# Altium PCB smart-ring-main.PcbDoc (part 1 of 6) (continued)
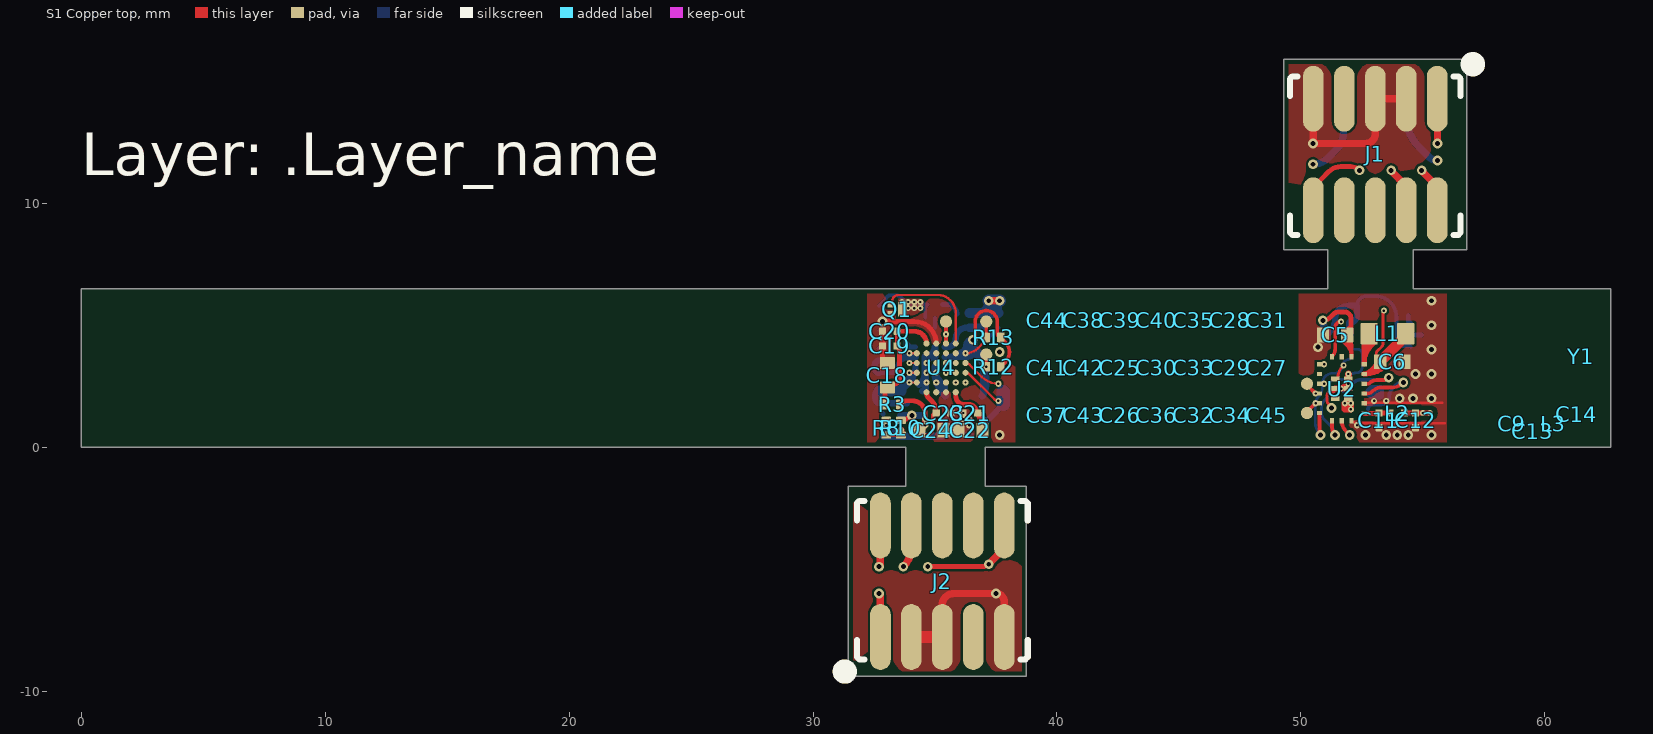
[diagram p0: S1 Copper top view]
## Components (designator, comment, footprint, x,y, rotation, side; value= is the part's Value field where it differs from the comment)
C1 "10uF" SMD_CAPACITOR_0402 37.8,2.8 r90 bottom
C2 "10uF" SMD_CAPACITOR_0402 32.7,1.8 r270 bottom
C3 "2.2uF" SMD_CAPACITOR_0402 33.6,1.8 r270 bottom
C4 "10uF" SMD_CAPACITOR_0402 34.5,1.8 r270 bottom
C5 "2.2uF" SMD_CAPACITOR_0402 51.4,4.6 r180 top
C6 "10uF" SMD_CAPACITOR_0402 53.75,3.5 r0 top
C7 "100pF" SMD_CAPACITOR_0201#1 35.7,1.1 r180 bottom
C8 "100pF" SMD_CAPACITOR_0201#1 35.7,0.5 r180 bottom
C9 "10pF" SMD_CAPACITOR_0201#2 58.65,0.95 r180 top
C10 "10uF" SMD_CAPACITOR_0402 36.45,3.55 r270 bottom
C11 "1.8pF" SMD_CAPACITOR_0201#1 53.2,1.1 r90 top
C12 "1.8pF" SMD_CAPACITOR_0201#1 54.7,1.1 r90 top
C13 "1.8pF" SMD_CAPACITOR_0201#2 59.5,0.65 r90 top
C14 "1.8pF" SMD_CAPACITOR_0201#2 61.3,1.35 r180 top
C15 "100nF" SMD_CAPACITOR_0201#1 52.6,5.8 r0 bottom
C16 "2.2uF" SMD_CAPACITOR_0402 51.15,4.2 r270 bottom
C17 "2.2uF" SMD_CAPACITOR_0402 32.7,3.55 r270 bottom
C18 "10uF" SMD_CAPACITOR_0402 33.05,2.95 r90 top
C19 "100nF" SMD_CAPACITOR_0201#1 33.15,4.15 r180 top
C20 "100pF" SMD_CAPACITOR_0201#1 33.15,4.75 r180 top
C21 "100nF" SMD_CAPACITOR_0201#1 36.45,1.4 r180 top
C22 "2.2uF" SMD_CAPACITOR_0402 36.45,0.7 r180 top
C23 "100nF" SMD_CAPACITOR_0201#1 35.35,1.4 r0 top
C24 "10uF" SMD_CAPACITOR_0402 34.85,0.7 r0 top
C25 "47uF" SMD_CAPACITOR_0603 42.6,3.25 r90 top
C26 "47uF" SMD_CAPACITOR_0603 42.6,1.3 r90 top
C27 "47uF" SMD_CAPACITOR_0603 48.6,3.25 r90 top
C28 "47uF" SMD_CAPACITOR_0603 47.1,5.2 r90 top
C29 "47uF" SMD_CAPACITOR_0603 47.1,3.25 r270 top
C30 "47uF" SMD_CAPACITOR_0603 44.1,3.25 r270 top
C31 "47uF" SMD_CAPACITOR_0603 48.6,5.2 r270 top
C32 "47uF" SMD_CAPACITOR_0603 45.6,1.3 r90 top
C33 "47uF" SMD_CAPACITOR_0603 45.6,3.25 r90 top
C34 "47uF" SMD_CAPACITOR_0603 47.1,1.3 r90 top
C35 "47uF" SMD_CAPACITOR_0603 45.6,5.2 r270 top
C36 "47uF" SMD_CAPACITOR_0603 44.1,1.3 r90 top
C37 "47uF" SMD_CAPACITOR_0603 39.6,1.3 r270 top
C38 "47uF" SMD_CAPACITOR_0603 41.1,5.2 r90 top
C39 "47uF" SMD_CAPACITOR_0603 42.6,5.2 r270 top
C40 "47uF" SMD_CAPACITOR_0603 44.1,5.2 r90 top
C41 "47uF" SMD_CAPACITOR_0603 39.6,3.25 r90 top
C42 "47uF" SMD_CAPACITOR_0603 41.1,3.25 r270 top
C43 "47uF" SMD_CAPACITOR_0603 41.1,1.3 r270 top
C44 "47uF" SMD_CAPACITOR_0603 39.6,5.2 r90 top
C45 "47uF" SMD_CAPACITOR_0603 48.6,1.3 r90 top
D1 "Fast Schottky" CLP0603-2M 36.75,0.5 r180 bottom
D2 "5.1V Zener" DFN1006-2A 37.8,1.3 r90 bottom
D4 "Fast Schottky" CLP0603-2M 36.75,1.1 r0 bottom
J1 "SWD DIALOG" CONN_SWD_10PIN 53.05,12 r270 top
J2 "SWD ATMEL" CONN_SWD_10PIN 35.3,-5.5 r90 top
L1 "2.2uH" SMD_INDUCTOR_0603 53.55,4.65 r0 top
L2 "3.3nH" SMD_INDUCTOR_0201#1 53.95,1.4 r0 top
L3 "3.3nH" SMD_INDUCTOR_0201#2 60.35,0.95 r0 top
L4 "2.2uH" SMD_INDUCTOR_0603_HDI 36.15,2.05 r0 bottom
NTC1 "100k 0.5%" SMD_RESISTOR_0402 32.7,5.3 r90 bottom
Q1 "PMH600UNE" "DFN0606-3 (SOT8001)" 33.45,5.65 r270 top
R1 "280kOhm 1%" SMD_RESISTOR_0201 35,5.85 r180 bottom
R2 "2.2MOhm 1%" SMD_RESISTOR_0201 33.6,5.85 r180 bottom
R3 "100Ohm" SMD_RESISTOR_0201 33.25,1.75 r0 top
R8 "1MOhm 1%" SMD_RESISTOR_0201 33,0.8 r90 top
R9 "1MOhm 1%" SMD_RESISTOR_0201 37.6,5.2 r90 bottom
R10 "100kOhm 1%" SMD_RESISTOR_0201 33.6,0.8 r270 top
R11 "249kOhm 1%" SMD_RESISTOR_0201 37.5,4.4 r180 bottom
R12 "10k" SMD_RESISTOR_0201 37.4,3.3 r0 top
R13 "10k" SMD_RESISTOR_0201 37.4,4.5 r0 top
R16 "316Ohm" SMD_RESISTOR_0201 36.4,5.2 r270 bottom
R17 "316Ohm" SMD_RESISTOR_0201 37,5.2 r270 bottom
TP3 "Testpoint" "Testpoint 1.5x2.5mm" 51.75,14 r180 bottom
TP4 "Testpoint" "Testpoint 1.5x2.5mm" 54.3,14 r180 bottom
U1 "BQ25125" BQ25125-DSBGA25_HDI 34.6,4.1 r0 bottom
U2 "DA14531-00000FX2" DA14531-00000FX2-FCGQFN24 51.675,2.4 r180 top
U3 "MX25R2035FZUIL0" USON-8L-2x3x0.6mm 53.25,4.35 r270 bottom
U4 "ATSAML10E16A-UUT" WLCSP32_HDI 35.25,3.25 r90 top locked
X1 "32MHz" ABM12W 52.25,1.9 r0 bottom
Y1 "ANTENNA_W3008" ANTENNA_W3008 61.5,3.7 r270 top

## Footprints (in the part's own frame and the unit in brackets; to place one, negate y for a bottom-side part, rotate by r counter-clockwise, add the part's x,y. Pads: shape width x height; smd on the part's side, far side on the other; paste and mask are expansions set on the pad)
ABM12W [mm]
  rect 0.73x0.58 smd paste-0.06 mask+0.07: 1(-0.5,-0.35) 2(0.5,-0.35) 3(0.5,0.35) 4(-0.5,0.35)
  body extent -0.8,-0.6 0.8,0.6, height 0.4
ANTENNA_W3008 [mm]
  rect 0.8x0.65 on Mid1: 1(1.6,-0.475) 2(1.6,0.475)
  rect 0.8x1.6 on Mid1: 3(-1.6,0)
  body extent -1.6,-0.8 1.6,0.8, height 1.1
BQ25125-DSBGA25_HDI [mm] "25-Pin DSBGA footprint for BQ25125"
  round 0.23 smd mask+0.051: A1(-0.8,0.8) A2(-0.4,0.8) A3(0,0.8) A4(0.4,0.8) A5(0.8,0.8) B1(-0.8,0.4) B2(-0.4,0.4) B3(0,0.4) B4(0.4,0.4) B5(0.8,0.4) C1(-0.8,0) C2(-0.4,0) C3(0,0) C4(0.4,0) C5(0.8,0) D1(-0.8,-0.4) D2(-0.4,-0.4) D3(0,-0.4) D4(0.4,-0.4) D5(0.8,-0.4) E1(-0.8,-0.8) E2(-0.4,-0.8) E3(0,-0.8) E4(0.4,-0.8) E5(0.8,-0.8)
  body extent -1.23,-1.26 1.23,1.27, height 0.5
CLP0603-2M [mm]
  rrect20% 0.3x0.3 smd paste-0.015 mask+0.06: 1(-0.3,0) 2(0.3,0)
  body extent -0.3,-0.15 0.31,0.16, height 0.27
CONN_SWD_10PIN [mm]
  oval 2.7x0.85 smd paste-10 mask+0.07: 1(-2.286,2.54) 2(2.286,2.54) 3(-2.286,1.27) 4(2.286,1.27) 5(-2.286,0) 6(2.286,0) 7(-2.286,-1.27) 8(2.286,-1.27) 9(-2.286,-2.54) 10(2.286,-2.54)
  silkscreen extent -3.95,-3.5 3.3,4.25, body extent -2.92,-3.18 2.92,3.17, height 6.11
DA14531-00000FX2-FCGQFN24 [mm] "FCGQFN24 footprint for DA14531"
  rect 0.225x0.18 smd paste-0.03 mask+0.05: 1(-0.913,1) 2(-0.913,0.6) 3(-0.913,0.2) 4(-0.913,-0.2) 5(-0.913,-0.6) 6(-0.913,-1) 10(0.913,-1) 11(0.913,-0.6) 12(0.913,-0.2) 13(0.913,0.2) 14(0.913,0.6) 15(0.913,1)
  rect 0.18x0.225 smd paste-0.03 mask+0.05: 7(-0.4,-1.312) 8(0,-1.312) 9(0.4,-1.312) 16(0.4,1.313) 17(0,1.313) 18(-0.4,1.313)
  rect 0.35x0.2 smd paste-0.03 mask+0.05: 19(-0.275,0.4) 20(-0.275,0) 21(-0.275,-0.4) 22(0.275,-0.4) 23(0.275,0) 24(0.275,0.4)
  body extent -1.11,-1.5 1.1,1.5, height 0.7
"DFN0606-3 (SOT8001)" [mm] "Nexperia footprint."
  rect 0.6x0.35 smd paste-0.05 mask+0: D(0,0.21)
  rect 0.2x0.3 smd paste+0 mask+0: G(-0.175,-0.245) S(0.175,-0.245)
  body extent -0.31,-0.31 0.31,0.31, height 0.36
DFN1006-2A [mm]
  rrect50% 0.6x0.6 smd paste-1 mask+0.04: 1(-0.45,0)
  rrect10% 0.6x0.6 smd paste-1 mask+0.04: 2(0.45,0)
  body extent -0.53,-0.32 0.53,0.33, height 0.48
SMD_CAPACITOR_0201#1 [mm]
  rrect20% 0.3x0.3 smd paste-0.015 mask+0.06: 1(-0.3,0) 2(0.3,0)
  body extent -0.3,-0.15 0.3,0.15, height 0.3
SMD_CAPACITOR_0201#2 [mm]
  rrect20% 0.3x0.3 on Mid1 paste-0.015 mask+0.06: 1(-0.3,0) 2(0.3,0)
  body extent -0.3,-0.15 0.3,0.15, height 0.3
SMD_CAPACITOR_0402 [mm]
  rrect10% 0.5x0.6 smd paste-1 mask+0.06: 1(-0.5,0) 2(0.5,0)
  body extent -0.5,-0.26 0.5,0.26, height 0.54
SMD_CAPACITOR_0603 [mm]
  rrect10% 0.7x0.6 on Mid1 paste-0.1 mask-0.1: 1(-0.75,0) 2(0.75,0)
  body extent -0.8,-0.39 0.8,0.43, height 0.86
SMD_INDUCTOR_0201#1 [mm]
  rrect20% 0.3x0.3 smd paste-0.015 mask+0.06: 1(-0.3,0) 2(0.3,0)
  body extent -0.3,-0.15 0.3,0.15, height 0.3
SMD_INDUCTOR_0201#2 [mm]
  rrect20% 0.3x0.3 on Mid1 paste-0.015 mask+0.06: 1(-0.3,0) 2(0.3,0)
  body extent -0.3,-0.15 0.3,0.15, height 0.3
SMD_INDUCTOR_0603 [mm]
  rrect10% 0.7x0.9 smd paste-1 mask+0.06: 1(-0.75,0) 2(0.75,0)
  body extent -0.8,-0.4 0.8,0.4, height 0.9
SMD_INDUCTOR_0603_HDI [mm]
  rrect10% 0.7x0.9 smd paste-1 mask+0.06: 1(-0.75,0) 2(0.75,0)
  body extent -0.8,-0.4 0.8,0.4, height 0.8
SMD_RESISTOR_0201 [mm]
  rrect20% 0.3x0.4 smd paste+0 mask+0.06: 1(-0.3,0) 2(0.3,0)
  body extent -0.3,-0.15 0.3,0.15, height 0.22
SMD_RESISTOR_0402 [mm]
  rrect10% 0.5x0.6 smd paste-1 mask+0.06: 1(-0.5,0) 2(0.5,0)
  body extent -0.5,-0.25 0.5,0.25, height 0.35
"Testpoint 1.5x2.5mm" [mm]
  oval 1.5x2.5 smd paste-10: 1(0,0)
  silkscreen extent -1,-1.5 1,1.5
USON-8L-2x3x0.6mm [mm]
  rect 0.3x0.6 smd paste-0.05 mask+0.05: 1(-0.75,-1.25) 2(-0.25,-1.25) 3(0.25,-1.25) 4(0.75,-1.25) 5(0.75,1.25) 6(0.25,1.25) 7(-0.25,1.25) 8(-0.75,1.25)
  rect 2x0.4 smd paste-0.05 mask+0.05: 9(0,0)
  body extent -1,-1.5 1,1.5, height 0.6
WLCSP32_HDI [mm]
  round 0.25 smd mask+0.051: A2(-0.6,1) A3(-0.2,1) A4(0.2,1) A5(0.6,1) B1(-1,0.6) B2(-0.6,0.6) B3(-0.2,0.6) B4(0.2,0.6) B5(0.6,0.6) B6(1,0.6) C1(-1,0.2) C2(-0.6,0.2) C3(-0.2,0.2) C4(0.2,0.2) C5(0.6,0.2) C6(1,0.2) D1(-1,-0.2) D2(-0.6,-0.2) D3(-0.2,-0.2) D4(0.2,-0.2) D5(0.6,-0.2) D6(1,-0.2) E1(-1,-0.6) E2(-0.6,-0.6) E3(-0.2,-0.6) E4(0.2,-0.6) E5(0.6,-0.6) E6(1,-0.6) F2(-0.6,-1) F3(-0.2,-1) F4(0.2,-1) F5(0.6,-1)
  body extent -1.4,-1.4 1.4,1.4, height 0.48

## Part data
C1 C2 C4 C6 C10 C18 C24: library part CAPACITOR_0402, "Ceramic Capacitor 10uF 20% 10V X5R 0402", Device Package="0402 (1005 Metric)", Manufacturer=Samsung, Part Number=CL05A106MP5NUNC, Tolerance=20%, Voltage - Rated=10V, Digikey link=https://www.digikey.com/en/products/detail/samsung-electro-mechanics/CL05A106MP5NUNC/3887108?s=N4IgTCBcDaIMIBkAMBWAggRiQNgLIAUUA5AVSLhAF0BfIA, Mounting Type=SMT, Mouser link=https://au.mouser.com/ProductDetail/Samsung-Electro-Mechanics/CL05A106MP5NUNC/?qs=%2Fha2pyFadujQ7YcBKb35%2FBbJvrfEs4Xc1j9gkwHKSo5FkZmFQOJR1A%3D%3D, Size / Dimension="0.039\" L x 0.020\" W (1.00mm x 0.50mm)"
C3 C5 C16 C17 C22: library part CAPACITOR_0402, "Ceramic Capacitor 2.2uF 20% 6.3V X5R 0402", Device Package="0402 (1005 Metric)", Manufacturer=Murata, Part Number=GRM155R60J225ME15D, Tolerance=20%, Voltage - Rated=6.3V, Digikey link=https://www.digikey.com.au/product-detail/en/murata-electronics/GRM155R60J225ME15D/490-4519-1-ND/1033278, Mounting Type=SMT, Size / Dimension="0.039\" L x 0.020\" W (1.00mm x 0.50mm)"
C7 C8 C20: library part CAPACITOR_0201, "Ceramic capacitor 100pF 10% 16V X7R 0201", Device Package="0201 (0603 Metric)", Manufacturer=Murata, Part Number=GRM033R71C101KA01D, Tolerance=10%, Voltage - Rated=16V, Digikey link=https://www.digikey.com.au/product-detail/en/murata-electronics/GRM033R71C101KA01D/490-6146-2-ND/2543500, Mounting Type=SMT, Size / Dimension="0.024\" L x 0.012\" W (0.60mm x 0.30mm)"
C9: library part CAPACITOR_0201, "Ceramic Capacitor 10pF ±0.25pF 50V C0G (NP0) 0201", Device Package="0201 (0603 Metric)", Manufacturer=AVX, Part Number=02013A100CAT2A, Tolerance=0.25pF, Digikey link=https://www.digikey.com.au/product-detail/en/avx-corporation/02013A100CAT2A/478-02013A100CAT2ACT-ND/11570361, Mounting Type=SMT, Size / Dimension="0.024\" L x 0.012\" W (0.60mm x 0.30mm)"
C11 C12 C13 C14: library part CAPACITOR_0201, "Ceramic Capacitor 1.8pF ±0.25pF 50V C0G (NP0) 0201", Device Package="0201 (0603 Metric)", Manufacturer=Murata, Part Number=GRM0335C1H1R8CA01D, Tolerance=0.25pF, Digikey link=https://www.digikey.com.au/product-detail/en/murata-electronics/GRM0335C1H1R8CA01D/490-11314-1-ND/5333154, Mounting Type=SMT, Size / Dimension="0.024\" L x 0.012\" W (0.60mm x 0.30mm)"
C15 C19 C21 C23: library part CAPACITOR_0201, "Ceramic capacitor 100nF 10% 6.3V X5R 0201", Device Package="0201 (0603 Metric)", Manufacturer=Murata, Part Number=GRM033R60J104KE19J, Tolerance=10%, Voltage - Rated=6.3V, Digikey link=https://www.digikey.com.au/product-detail/en/murata-electronics/GRM033R60J104KE19J/490-8155-2-ND/2543452, Mounting Type=SMT, Size / Dimension="0.024\" L x 0.012\" W (0.60mm x 0.30mm)"
C25 C26 C27 C28 C29 C30 C31 C32 C33 C34 C35 C36 C37 C38 C39 C40 C41 C42 C43 C44 C45: library part CAPACITOR_0603, "Ceramic Capacitor 47uF 20% 4V X5R 0603", Device Package="0603 (1608 Metric)", Manufacturer=Murata, Part Number=GRM188R60G476ME15D, Tolerance=20%, Voltage - Rated=4V, Digikey link=https://www.digikey.com.au/product-detail/en/murata-electronics/GRM188R60G476ME15D/490-13246-1-ND/5877454, Mounting Type=SMT, Size / Dimension="0.063\" L x 0.031\" W (1.60mm x 0.80mm)"
D1 D4: library part DIODE_0201, "Diode SMT 0201", Device Package="0201 (0603 Metric)", Manufacturer=Vishay, Part Number=VSKY02300603, Distributor link 1=https://www.digikey.com/en/products/detail/vishay-general-semiconductor-diodes-division/VSKY02300603-G4-08/7390849, Mounting Type=SMT, Size / Dimension="0.024\" L x 0.012\" W (0.60mm x 0.30mm)"
D2: library part DIODE_0201, "Diode SMT 0201", Device Package="0402 (1006 Metric)", Manufacturer=Vishay, Part Number=BZX884B5V1L, Distributor link 1=https://www.digikey.com.au/en/products/detail/vishay-general-semiconductor-diodes-division/BZX884B5V1L-HG3-08/14312734, Mounting Type=SMT
J1 J2: library part CONN_SWD_10PIN, "10-pin ARM SWD connector for debugging", Manufacturer=Samtec, Part Number=FTSH-105-01-L-DV-K
L1 L4: library part INDUCTOR_0603, "Inductor fixed 2.2uH 20% 500mA 180mOhm 0603", Device Package="0603 (1608 Metric)", Manufacturer=TDK, Part Number=MLZ1608N2R2LT000, Tolerance=20%, Digikey link=https://www.digikey.com.au/product-detail/en/tdk-corporation/MLZ1608N2R2LT000/445-6754-1-ND/2523575, Mounting Type=SMT, Size / Dimension="0.063\" L x 0.031\" W (1.60mm x 0.80mm)"
L2 L3: library part INDUCTOR_0201, "RF Inductor 3.3nH ±0.1nH 450mA 250mOhm 0201", Device Package="0201 (0603 Metric)", Manufacturer=Murata, Part Number=LQP03TN3N3B02D, Tolerance=0.1nH, Digikey link=https://www.digikey.com.au/product-detail/en/murata-electronics/LQP03TN3N3B02D/490-6728-1-ND/5802375, Mounting Type=SMT, Size / Dimension="0.024\" L x 0.012\" W (0.60mm x 0.30mm)"
NTC1: library part RESISTOR_0402, "Resistor SMT 0402", Device Package="0402 (1005 Metric)", Manufacturer=TDK, Part Number=NTCG104ED104DT1X, Tolerance=0.5%, Distributor link 1=https://www.digikey.com.au/en/products/detail/tdk-corporation/NTCG104ED104DT1X/8565495, Mounting Type=SMT, Size / Dimension="0.039\" L x 0.020\" W (1.00mm x 0.50mm)"
Q1: library part MOSFET_N_GDS, "N-MOSFET SMT", Device Package=3-XFDFN, Manufacturer="Nexperia USA Inc.", Operating Temperature="-55°C ~ 150°C (TJ)", Voltage - Rated=20V, Distributor link 1=https://www.digikey.com.au/product-detail/en/nexperia-usa-inc/PMH600UNEH/1727-8580-1-ND/10261006, Mounting Type=SMT, Part Number=PMH600UNE
R1 R2: library part RESISTOR_0201, "Resistor 470 Ohm 5% 1/20W 0201", Device Package="0201 (0603 Metric)", Tolerance=1%, Mounting Type=SMT, Size / Dimension="0.024\" L x 0.012\" W (0.60mm x 0.30mm)"
R3: library part RESISTOR_0201, "Resistor 100 Ohm 5% 1/20W 0201", Device Package="0201 (0603 Metric)", Manufacturer=Yageo, Part Number=RC0201JR-07100RL, Tolerance=5%, Digikey link=https://www.digikey.com.au/product-detail/en/yageo/RC0201JR-07100RL/311-100NCT-ND/1949006, Mounting Type=SMT, Size / Dimension="0.024\" L x 0.012\" W (0.60mm x 0.30mm)"
R8 R9: library part RESISTOR_0201, "Resistor 1 MOhm 1% 1/20W 0201", Device Package="0201 (0603 Metric)", Tolerance=1%, Mounting Type=SMT, Size / Dimension="0.024\" L x 0.012\" W (0.60mm x 0.30mm)"
R10 R11: library part RESISTOR_0201, "Resistor 249 kOhm 1% 1/20W 0201", Device Package="0201 (0603 Metric)", Tolerance=1%, Mounting Type=SMT, Size / Dimension="0.024\" L x 0.012\" W (0.60mm x 0.30mm)"
R12 R13: library part RESISTOR_0201, "Resistor 470 Ohm 5% 1/20W 0201", Device Package="0201 (0603 Metric)", Tolerance=5%, Mounting Type=SMT, Size / Dimension="0.024\" L x 0.012\" W (0.60mm x 0.30mm)"
R16 R17: library part RESISTOR_0201, "Resistor 316 Ohm 1% 1/20W 0201", Device Package="0201 (0603 Metric)", Manufacturer="Vishay Dale", Part Number=CRCW0201316RFNED, Tolerance=1%, Digikey link=https://www.digikey.com.au/product-detail/en/vishay-dale/CRCW0201316RFNED/541-CRCW0201316RFNEDCT-ND/10448813, Mounting Type=SMT, Size / Dimension="0.024\" L x 0.012\" W (0.60mm x 0.30mm)"
TP3 TP4: "Testpoint for measuring at the PCB"
U1: "BQ25125 Low IQ Highly Integrated Battery Charge Management Solution / For Wearables and IoT"
U2: "IC RF TxRx + MCU Bluetooth Bluetooth v5.1 2.4GHz 24-WFQFN, FC", Manufacturer="Dialog Semiconductor GmbH", Package="WFQFN-24 Dialog Semiconductor GmbH"
U3: Manufacturer=Macronix
U4: library part ATSAML10EXXA-U, "ARM® Cortex®-M23 SAM L10 Microcontroller IC 32-Bit 32MHz 16-64KB FLASH 32-WLCSP (2.79 x 2.79)", Device Package=WLCSP-32, Manufacturer="Microchip (Atmel)", Link=https://www.microchip.com/wwwproducts/en/ATSAML10E16A, Mounting Type=SMT, Part Number=ATSAML10E16A-UUT
X1: library part CRYSTAL_4PIN_GENERIC, "Crystal 32MHz 7pF ±10ppm for Bluetooth (1.60mm x 1.20mm)", Device Package="4-SMD, No Lead", Manufacturer=Abracon, Operating Temperature="-20°C ~ 70°C", Part Number=ABM12W-32.0000MHZ-7-B1U-T3, Distributor link 1=https://www.digikey.com.au/product-detail/en/abracon-llc/ABM12W-32-0000MHZ-7-B1U-T3/535-ABM12W-32-0000MHZ-7-B1U-T3CT-ND/7173160, Mounting Type=SMT, Size / Dimension="0.063\" L x 0.047\" W (1.60mm x 1.20mm)"

## Free pads (board coordinates)
  rrect60% 9x0.8 on Mid1 paste-10: 1(5,1) 1(5,2.65) 1(5,3.85) 1(5,5.5)
  rrect60% 9x0.8 on Mid4 paste-10: 1(5,1) 1(5,2.65) 1(5,3.85) 1(5,5.5)
  oval 3.3x1.5 on Mid4 paste-10 mask+0: 1(29.5,1.75) 1(29.5,4.75)
  round 0.5 smd paste-10: 1(35.45,5.15) 1(37.1,3.8) 1(37.1,5.15) 1(50.25,1.4) 1(50.25,2.6)

## Via types
v1: diameter 0.45, hole 0.2, S2 Flex copper top to S5 Flex copper bottom, tented both sides, 61 vias
v2: diameter 0.5/0.5/0.5/0.5 (per signal layer), hole 0.2, S2 Flex copper top to S5 Flex copper bottom, 60 vias
v3: diameter 0.25/0.3 (per signal layer), hole 0.1, S1 Copper top to S2 Flex copper top, tented both sides, 40 vias
v4: diameter 0.4/0.5/0.5/0.5/0.5/0.4 (per signal layer), hole 0.2, S1 Copper top to S6 Copper bottom, tented both sides, 35 vias
v5: diameter 0.3/0.25 (per signal layer), hole 0.1, S5 Flex copper bottom to S6 Copper bottom, tented both sides, 34 vias
v6: diameter 0.5/0.5/0.5/0.5 (per signal layer), hole 0.2, S2 Flex copper top to S5 Flex copper bottom, tented both sides, 12 vias
v7: diameter 0.25, hole 0.1, S1 Copper top to S2 Flex copper top, tented both sides, 10 vias
v8: diameter 0.45/0.45/0.45/0.45 (per signal layer), hole 0.2, S2 Flex copper top to S5 Flex copper bottom, tented both sides, 4 vias
v9: diameter 0.4/0.45/0.45/0.45/0.45/0.4 (per signal layer), hole 0.2, S1 Copper top to S6 Copper bottom, tented both sides, 3 vias
v10: diameter 0.4, hole 0.2, S1 Copper top to S6 Copper bottom, tented both sides, 2 vias
v11: diameter 0.4/0.5/0.5/0.5/0.4/0.4 (per signal layer), hole 0.2, S1 Copper top to S6 Copper bottom, tented both sides, 1 vias

## Nets (pads, with @x,y where several pads share a name; then routed paths per layer and width w, separated by ;. In a path a pad name is that pad's centre, name@x,y a point inside that pad or via, vN(x,y) a via of type N, cw(c..) or ccw(c..) an arc to the next point about the centre after c; other vN are vias at no path point)
1V1: C6.1 L1.2 TP4.1 U2.5 | length 17.8
  S1 Copper top w0.11: C6.1@53.25,3.5 cw(c53.25,3.665) 53.224,3.502 cw(c53.25,3.665) 53.085,3.665 53.085,3.832 cw(c53.226,3.832) 53.126,3.931 53.318,4.124 ccw(c53.199,4.243) 53.368,4.243 53.368,5.522 cw(c53.478,5.522) v3(53.4,5.6)
  S1 Copper top w0.2: C6.1@53.224,3.502 52.816,3.095 cw(c52.588,3.324) U2.5@52.588,3 ; C6.1@53.25,3.5 ccw(c53.25,3.889) 53.525,3.614 ; C6.1@53.299,3.438 53.054,3.193 cw(c52.588,3.66) U2.5@52.588,3 ; C6.1@53.386,3.291 cw(c52.682,3.995) 52.682,3 U2.5@52.588,3 ; 53.525,3.614 54.115,4.205 ccw(c53.67,4.65) L1.2@54.3,4.65
  S1 Copper top w0.3: C6.1@53.25,3.5 cw(c53.491,3.5) 53.321,3.671 L1.2@54.3,4.65
  S2 Flex copper top w0.11: v3(53.4,5.6) ccw(c52.772,6.228) 53.66,6.228 53.66,8.2 cw(c55.857,8.2) 54.303,9.753 55.35,10.8 ccw(c54.746,11.404) 55.6,11.404 v4(55.6,11.75)
  S6 Copper bottom w0.3: TP4.1@54.3,14 54.3,13.628 ccw(c56.178,13.628) 54.85,12.3 55.259,11.891 ccw(c55.6,12.233) v4(55.6,11.75)
1V8: C5.1 C10.1 C15.1 C16.1 C23.1 C24.1 J1.1 J2.1 L4.2 R3.2 R12.2 R13.2 TP3.1 U1.B5 U2.7 U3.3 U3.7 U3.8 U4.B1 | length 105.6
  S1 Copper top w0.15: C24.1@34.35,0.7 ccw(c34.55,0.7) 34.55,0.5 34.65,0.5 ccw(c34.65,0.75) 34.9,0.75 34.9,1.25 cw(c35.05,1.25) C23.1@35.05,1.4 ; v4(36.55,4.4) ccw(c36.55,4.5) 36.65,4.5 36.65,5.15 cw(c37.1,5.15) 37.1,5.6 cw(c37.1,5.15) 37.55,5.15 37.55,4.65 ccw(c37.7,4.65) R13.2@37.7,4.5 37.873,4.327 cw(c37.446,3.9) 38.05,3.9 cw(c37.446,3.9) 37.873,3.473 R12.2@37.7,3.3 ; C5.1@51.729,4.35 51.869,4.21 cw(c51.371,3.713) U2.7@52.075,3.713 52.075,3.828 ; C5.1@51.843,4.388 cw(c51.283,3.828) 52.075,3.828 ; C5.1@51.9,4.6 cw(c51.478,4.178) 52.075,4.178 52.075,3.828
  S1 Copper top w0.2: v4(32.7,-6) cw(c32.7,-6.06) v4@32.76,-6.06 ; R3.2@33.55,1.75 33.629,1.829 cw(c33.8,1.659) 33.8,1.9 34.074,1.9 cw(c34.074,1.374) 34.6,1.374 v3(34.6,1.15) v3@34.6,1.148 ; C24.1@34.343,0.891 ccw(c34.343,1.148) v3@34.6,1.148 ; C24.1@34.35,0.7 ccw(c34.35,0.95) 34.6,0.95 v3@34.6,1.148 ; U4.B1@34.65,2.25 ccw(c35.012,2.25) 34.756,1.994 34.9,1.85 cw(c34.627,1.577) 35.013,1.577 C23.1@35.013,1.407 ; v4(50.9,5.2) ccw(c50.9,5.64) 51.211,5.329 51.335,5.453 cw(c51.566,5.223) 51.566,5.549 51.769,5.549 cw(c51.769,5.258) 52.06,5.258 52.06,5.038 ; C5.1@51.813,4.791 ccw(c51.813,5.038) 52.06,5.038 ; C5.1@51.9,4.6 ccw(c51.9,4.76) 52.06,4.76 52.06,5.038
  S1 Copper top w0.3: v4(32.7,-6) 32.7,-6.027 32.76,-6.087 J2.1@32.76,-7.786 ; J1.1@55.59,14.286 cw(c55.566,14.262) 55.6,14.262 v4(55.6,12.45)
  S2 Flex copper top w0.1: 38,5.2 50.2,5.2 ; 38.068,5.208 38.068,5.269 cw(c38.2,5.269) 38.2,5.4 ; 38.083,5.116 ccw(c38.199,5.116) 38.199,5 ; 50.2,5 38.199,5 ; 50.2,5.4 38.2,5.4 ; 38.199,5 38,5 cw(c38,5.135) 37.865,5.135 37.865,5.2 37.865,5.265 cw(c38,5.265) 38,5.4 38.2,5.4
  S2 Flex copper top w0.15: v4(50.9,5.2) v4@50.967,5.267
  S2 Flex copper top w0.2: v4(32.7,-6) cw(c32.7,-5.35) 32.05,-5.35 32.05,-2.95 cw(c32.75,-2.95) 32.75,-2.25 33.75,-2.25 ccw(c33.75,-1.851) 34.149,-1.851 34.149,0.05 34.715,0.616 ccw(c34.631,0.7) 34.75,0.7 cw(c34.921,0.7) 34.8,0.821 v1@34.879,0.9 ; v4(50.5,11.6) 50.967,11.6 ccw(c50.967,12.283) 51.188,11.637 ; v4@50.967,5.267 51.04,5.34 ccw(c49.931,6.45) 51.5,6.45 51.5,10.882 ccw(c50.433,10.882) 51.188,11.637 ; v4(55.6,12.45) 52.303,12.45 ccw(c52.303,11.96) 51.957,12.307 51.45,11.8 cw(c50.967,12.283) 51.188,11.637
  S2 Flex copper top w0.3: v3(34.6,0.9) 34.879,0.9 ccw(c34.879,1.071) v1(35,0.95) cw(c35,1.433) 34.659,1.091 v3(34.6,1.15) v3(34.6,0.9)
  S2 Flex copper top w0.35: v4(36.55,4.4) 37.065,4.4 ccw(c37.065,4.738) 37.403,4.738 cw(c37.865,4.738) 37.865,5.2 38,5.2
  S2 Flex copper top w0.45: 50.2,5.2 v4(50.9,5.2)
  S5 Flex copper bottom w0.15: v1(35,0.95) ccw(c35.121,1.071) 35.121,0.9 36.277,0.9 ccw(c36.277,1.634) 36.795,1.115 37.028,1.348 ccw(c36.576,1.8) 37.216,1.8 37.216,3.176 ccw(c36.933,3.176) 37.133,3.376 37.06,3.449 cw(c37.404,3.794) 36.917,3.794 ccw(c36.339,3.794) 36.748,4.202 36.565,4.385 v4(36.55,4.4)
  S6 Copper bottom w0.15: C15.1@52.3,5.8 cw(c52.69,5.8) 52.69,6.19 53.057,6.19 cw(c53.057,5.329) 53.918,5.329 53.918,4.332 ccw(c54.1,4.332) 54.1,4.15 54.45,4.15 cw(c54.45,4.1) U3.3@54.5,4.1
  S6 Copper bottom w0.25: U1.B5@35.4,3.7 U1.B5@35.472,3.7 ; 36.139,3.826 ccw(c36.139,3.887) C10.1@36.19,3.853 ; C10.1@36.221,4.01 cw(c35.472,4.759) C10.1@36.2,3.99 ; C10.1@36.432,4.168 36.599,4.168 C10.1@36.624,4.168 ; C10.1@36.45,4.05 cw(c35.605,4.895) C10.1@36.19,3.853 ; C10.1@36.595,3.826 cw(c36.29,4.132) 36.29,3.7 35.605,3.7 ; C10.1@36.638,4.094 36.936,3.796 cw(c36.54,3.4) 37.1,3.4 37.1,2.523 cw(c36.503,2.523) L4.2@36.925,2.1 ; C16.1@51.15,4.7 51.188,4.738 ccw(c50.676,5.25) 51.4,5.25 cw(c51.95,5.25) 51.95,5.8 C15.1@52.3,5.8 52.3,5.4 cw(c52,5.4) U3.8@52,5.1 ; U1.B5@35.472,3.7 ccw(c35.472,4.759) C10.1@36.2,3.99 ; U1.B5@35.472,3.7 35.605,3.7 ; 35.605,3.7 ccw(c35.605,4.895) C10.1@36.19,3.853 ; C10.1@36.19,3.853 ccw(c36.139,3.887) 36.2,3.887 C10.1@36.2,3.99
  S6 Copper bottom w0.3: C10.1@36.297,4.13 36.297,4.147 cw(c36.55,4.147) v4(36.55,4.4) cw(c36.432,4.282) 36.599,4.282 36.599,4.168 C10.1@36.599,4.164 ; C10.1@36.45,4.05 36.788,3.712 cw(c36.276,3.2) 36.97,3.406 ccw(c37.258,3.492) 36.98,3.379 cw(c36.725,3.275) 37,3.275 37,3.2 37,2.281 cw(c36.744,2.281) L4.2@36.925,2.1 ; v4(50.5,11.6) ccw(c50.5,12.445) 51.097,11.847 51.45,12.2 ccw(c50.726,12.924) 51.75,12.924 TP3.1@51.75,14 ; v4(50.9,5.2) ccw(c51.504,5.2) 51.077,4.773 C16.1@51.15,4.7 ; U3.7@52,4.6 U3.8@52,5.1
ADC_VHAP: R9.1 R11.2 U4.B4 | length 4.2
  S2 Flex copper top w0.1: v7@34.645,3.447 v7@34.647,3.447 ; v7(34.65,3.45) ccw(c34.65,3.812) 34.906,3.556 35.876,4.526 cw(c36.9,3.501) v1(36.9,4.95)
  S2 Flex copper top w0.127: v7@34.647,3.447 v7(34.65,3.45)
  S5 Flex copper bottom w0.15: v1(36.9,4.95) ccw(c37.021,5.071) 37.021,4.9 v5(37.6,4.9)
  S6 Copper bottom w0.15: R11.2@37.2,4.4 cw(c37.441,4.4) 37.271,4.571 v5(37.6,4.9)
ADC_VIN: R8.1 R10.2 U4.B3 | length 3.7
  S1 Copper top w0.15: R8.1@33,0.5 R10.2@33.6,0.5
  S1 Copper top w0.28: R10.2@33.6,0.5 v7(33.6,0.7)
  S2 Flex copper top w0.1: v7@33.61,0.724 cw(c33.576,0.724) v7(33.6,0.7) 33.6,1.309 cw(c33.941,1.309) 33.7,1.55 34.185,2.035 ccw(c33.788,2.433) 34.35,2.433 34.35,2.75 ; 34.35,2.759 cw(c34.691,2.759) 34.45,3 cw(c34.571,2.879) 34.571,3.05 v7(34.65,3.05)
  S2 Flex copper top w0.15: v7(33.6,0.7) ccw(c33.574,0.726) v7@33.611,0.726
ATMEL_RESET: J2.10 U4.C2 | length 12.4
  S1 Copper top w0.2: v4(34.7,-4.9) 36.959,-4.9 ccw(c36.959,-4.559) v4(37.2,-4.8)
  S1 Copper top w0.3: v4(37.2,-4.8) 37.2,-4.789 J2.10@37.84,-4.149 ; J2.10@37.84,-4.16 J2.10@37.84,-4.149 ; J2.10@37.84,-3.214 J2.10@37.84,-4.149
  S2 Flex copper top w0.1: v7(35.05,2.65) 35.29,2.41 cw(c34.48,1.6) 35.626,1.6 35.626,0.632 cw(c35.368,0.632) 35.55,0.45 35.479,0.379 ccw(c35.658,0.2) 35.405,0.2 35.405,-1.8
  S2 Flex copper top w0.15: v4(34.7,-4.9) ccw(c32.998,-3.198) 35.405,-3.198 35.405,-1.8
ATMEL_SWCLK: J2.4 U4.B2 | length 10.2
  S1 Copper top w0.3: v4(33.7,-4.9) ccw(c32.903,-4.103) 34.03,-4.103 J2.4@34.03,-3.214
  S2 Flex copper top w0.102: v7(34.65,2.65) ccw(c34.891,2.65) 34.721,2.479 35,2.2 cw(c34.034,1.234) 35.4,1.234 35.4,0.8 cw(c35.232,0.8) 35.351,0.681 34.822,0.152 ccw(c34.874,0.1) 34.8,0.1 34.8,-1.8
  S2 Flex copper top w0.15: v4(33.7,-4.9) 34.056,-4.544 ccw(c32.26,-2.748) 34.8,-2.748 34.8,-1.8
ATMEL_SWDIO: J2.2 U4.C3 | length 13.7
  S1 Copper top w0.3: v4(32.7,-4.9) ccw(c32.555,-4.755) 32.76,-4.755 J2.2@32.76,-3.214
  S2 Flex copper top w0.1: v4(32.7,-4.9) ccw(c32.821,-4.9) v4@32.735,-4.985 ; v7(35.05,3.05) 35.398,2.702 cw(c34.307,1.611) 35.85,1.611 35.85,0.922 ccw(c36.164,0.922) 35.942,0.7 cw(c35.802,0.56) 36,0.56 36,-1.8
  S2 Flex copper top w0.15: v4(32.7,-4.9) ccw(c33.3,-4.9) 33.3,-5.5 35.009,-5.5 ccw(c35.009,-5.159) 35.25,-5.4 35.256,-5.394 ccw(c33.46,-3.598) 36,-3.598 36,-1.8
COIL+: C7.2 C8.2 pad.1@5,1 | length 30.5
  S5 Flex copper bottom w0.35: pad.1@9.009,0.994 9.181,0.822 ccw(c10.2,1.841) 10.2,0.4 32.5,0.4 ; 32.5,0.4 32.729,0.629 cw(c32.9,0.459) v5(32.9,0.7) v5(33.15,0.7) v5(33.15,0.45) ; 32.5,0.4 v5@33.029,0.4 ; v5@33.029,0.4 ccw(c33.029,0.571) v5(33.15,0.45) ; v5@33.029,0.4 33.15,0.4 v5(33.15,0.45)
  S6 Copper bottom w0.3: 35.4,0.89 cw(c34.96,0.89) 34.96,0.45 ; C7.2@35.4,1.1 C8.2@35.4,0.5 cw(c35.279,0.621) 35.279,0.45 34.96,0.45 ; 33.754,0.45 cw(c33.754,1.304) v5(33.15,0.7) v5(32.9,0.7) v5(32.9,0.45) v5(33.15,0.45) 33.754,0.45 ; 33.754,0.45 34.96,0.45
  other v2: 1,1 2,1 3,1 4,1 5,1 6,1 7,1 8,1 9,1
DIALOG_RESET: J1.10 U2.10 | length 12.3
  S1 Copper top w0.2: J1.10@50.51,10.198 cw(c51.624,10.198) 50.836,10.986 51.15,11.3 cw(c51.633,10.817) 51.633,11.5 52.038,11.5 cw(c52.038,10.988) v4(52.4,11.35)
  S1 Copper top w0.3: J1.10@50.51,9.714 50.51,10.198 J1.10@50.51,10.683
  S2 Flex copper top w0.11: v3(50.95,3.4) cw(c51.795,3.4) 51.197,3.997 51.796,4.596 ccw(c51.224,5.169) 52.033,5.169 52.033,5.356 cw(c52.944,5.356) 52.3,6 52.495,6.195 ccw(c52.29,6.4) 52.58,6.4 52.58,10.915 ccw(c51.965,10.915) v4(52.4,11.35) cw(c52.267,11.217) v4@52.455,11.217
DIALOG_SWCLK: J1.4 U2.12 | length 11.5
  S1 Copper top w0.3: v4(53.7,11.35) 53.7,11.323 54.32,10.703 J1.4@54.32,9.714
  S2 Flex copper top w0.11: v3(50.95,2.6) 51.088,2.738 ccw(c50.576,3.25) 51.3,3.25 cw(c52.303,3.25) 51.594,3.959 51.922,4.287 ccw(c51.009,5.2) 52.3,5.2 cw(c53.266,5.2) 52.583,5.883 53.063,6.363 ccw(c52.927,6.5) 53.12,6.5 53.12,9.95 cw(c55.1,9.95) v4(53.7,11.35)
DIALOG_SWDIO: J1.2 U2.9 | length 13.6
  S1 Copper top w0.15: U2.9@51.275,3.713 ccw(c50.96,4.027) 51.405,4.027 51.405,4.905 cw(c51.65,4.905) v3(51.65,5.15)
  S1 Copper top w0.3: v4(54.95,11.35) 54.95,11.323 55.59,10.683 J1.2@55.59,9.714
  S2 Flex copper top w0.11: v3@51.712,5.212 v3(51.65,5.15) 51.65,5.517 cw(c52.333,5.517) 51.85,6 51.892,6.042 ccw(c51.533,6.4) 52.04,6.4 52.052,8.2 52.052,10.704 ccw(c51.704,10.704) 51.95,10.95 cw(c52.191,11.191) 51.85,11.191 51.85,11.35 cw(c52.35,11.35) 52.35,11.85 54.217,11.85 cw(c54.217,11.167) 54.7,11.65 54.915,11.435 cw(c54.829,11.35) v4(54.95,11.35)
FLASH_CLK: U2.16 U3.6 | length 6
  S1 Copper top w0.15: U2.16@51.275,1.088 51.275,0.802 ccw(c51.702,0.802) v9(51.4,0.5)
  S6 Copper bottom w0.11: v9@51.306,0.539 ccw(c51.4,0.634) v9(51.4,0.5) ccw(c50.94,0.5) 51.265,0.825 50.957,1.133 cw(c51.224,1.4) 50.847,1.4 50.847,1.618 cw(c51.281,1.618) 50.974,1.926 ccw(c50.537,2.362) 51.155,2.362 51.155,2.53 cw(c51.395,2.53) 51.395,2.771 51.642,2.771 ccw(c51.642,3.128) 51.894,2.875 51.905,2.887 cw(c52.3,2.492) 52.3,3.05 ccw(c52.3,3.26) 52.51,3.26 52.51,3.831 ccw(c52.331,3.831) 52.331,4.01 52.09,4.01 cw(c52.09,4.1) U3.6@52,4.1 ; v9@51.354,0.53 v9@51.354,0.604
FLASH_CS: U2.17 U3.1 | length 7.9
  S1 Copper top w0.15: U2.17@51.675,1.088 ccw(c52.309,1.088) 51.861,0.639 v9(52,0.5)
  S4 Flex copper inner 2 w0.11: v9(52,0.5) cw(c52.483,0.5) 52.483,0.983 52.789,0.983 ccw(c52.789,1.335) 53.14,1.335 53.14,2.75 ; 53.14,2.744 cw(c54.82,2.744) 53.14,2.75 ; v2(54.85,5.5) cw(c52.932,5.5) 54.288,4.144 53.314,3.169 ccw(c53.733,2.75) 53.14,2.75
  S5 Flex copper bottom w0.11: v5(54.4,5.4) v2(54.85,5.5)
  S6 Copper bottom w0.11: v9@51.996,0.5 v9(52,0.5)
  S6 Copper bottom w0.2: v5(54.4,5.4) 54.4,5.2 ccw(c54.5,5.2) U3.1@54.5,5.1
FLASH_IN: U2.15 U3.5 | length 4.8
  S1 Copper top w0.15: U2.15@50.763,1.4 50.763,0.591 ccw(c50.891,0.591) v9(50.8,0.5)
  S6 Copper bottom w0.11: v9(50.8,0.5) cw(c51.304,1.004) 50.591,1.004 50.591,1.778 cw(c50.951,1.778) 50.697,2.032 ccw(c50.25,2.479) 50.882,2.479 50.882,2.602 cw(c51.309,2.602) 51.309,3.029 51.384,3.029 ccw(c51.384,3.306) 51.58,3.11 51.64,3.17 ccw(c51.504,3.306) 51.696,3.306 cw(c51.99,3.306) 51.99,3.6 U3.5@52,3.6
FLASH_OUT: U2.22 U3.2 | length 5.2
  S1 Copper top w0.11: U2.22@51.513,2.837 cw(c52.178,2.837) 51.708,3.308 v3(51.75,3.35)
  S2 Flex copper top w0.11: v3(51.75,3.35) cw(c53.078,2.022) 53.078,3.9 54.096,3.9 cw(c54.096,3.046) v2(54.7,3.65)
  S5 Flex copper bottom w0.11: v2(54.7,3.65) 54.7,3.996 cw(c55.554,3.996) v5(54.95,4.6)
  S6 Copper bottom w0.2: U3.2@54.5,4.6 v5(54.95,4.6)
GND: C1.2 C2.2 C3.2 C4.2 C5.2 C6.2 C10.2 C11.1 C12.1 C13.1 C14.1 C15.2 C16.2 C17.1 C18.2 C19.2 C20.2 C21.2 C22.2 C23.2 C24.2 C25.2 C26.1 C27.2 C28.1 C29.1 C30.1 C31.2 C32.1 C33.2 C34.1 C35.2 C36.1 C37.2 C38.1 C39.2 C40.1 C41.2 C42.1 C43.2 C44.1 C45.1 D1.1 D2.1 J1.3 J1.5 J1.9 J2.3 J2.5 J2.9 NTC1.1 pad.1@5,5.5 pad.1@29.5,1.75 Q1.S R2.2 R10.1 R11.1 U1.A1 U1.A5 U1.C1 U1.C2 U1.D1 U1.D5 U2.2 U2.18 U2.19 U2.20 U2.21 U2.23 U3.4 U3.9 U4.C6 U4.D1 X1.2 X1.4 Y1.2 Y1.3 | length 2107.8
  S1 Copper top w0.1: C24.2@35.35,0.7 ccw(c35.109,0.941) C24.2@35.45,0.941 ; U2.18@52.075,1.088 ccw(c52.323,1.335) v3@52.323,0.985 ; v3@52.323,0.983 55.9,0.983 ; U2.2@52.6,1.816 55.8,1.816
  S1 Copper top w0.11: U2.23@51.379,2.398 ccw(c51.379,2.089) 51.073,2.13 cw(c50.964,2.144) 51.072,2.126 ; U2.23@51.4,2.4 51.4,2.365 cw(c51.29,2.365) 51.29,2.255 51.225,2.255 ccw(c51.225,2.1) 51.072,2.126 ; 51.07,1.9 ccw(c51.225,1.9) 51.103,1.804 ; 51.07,1.9 ccw(c51.225,1.9) 51.104,1.804 ; 51.07,1.9 51.07,2.1 ; 51.07,2.1 cw(c51.225,2.1) 51.072,2.126 ; 51.07,2.1 cw(c51.225,2.1) 51.072,2.126 ; 51.104,1.804 cw(c51.017,1.736) 51.117,1.781 ccw(c51.601,2) 51.226,1.624 v4(51.25,1.6) ccw(c51.15,1.646) 51.181,1.751 cw(c51.225,1.9) 51.104,1.804
  S1 Copper top w0.2: C18.2@33.05,3.45 cw(c33.05,3.65) 32.85,3.65 C19.2@32.85,4.15 C20.2@32.85,4.75 v11(32.85,5.15) 34.15,5.15 cw(c34.15,4.25) U4.C6@35.05,4.25 ; R10.1@33.6,1.1 ccw(c33.6,1.583) 33.942,1.242 v4@34.05,1.35
  S1 Copper top w0.25: U2.23@51.4,2.4 U2.23@51.55,2.4 ; U2.23@51.55,2.4 ccw(c51.55,2.8) U2.21@51.95,2.8 ccw(c51.55,2.8) U2.21@51.95,2.8 U2.20@51.95,2.4 v3(51.65,2.4) U2.23@51.55,2.4
  S1 Copper top w0.26: 51.8,1.55 v3(51.8,1.8) v3(52.05,1.8) v3(52.05,1.55) 51.8,1.55
  S1 Copper top w0.3: J2.5@35.287,-6.49 cw(c35.778,-6.49) 35.778,-6 v4(37.5,-6) cw(c37.5,-6.34) 37.84,-6.34 J2.9@37.84,-7.786 ; J1.9@50.615,14.181 J1.9@50.51,14.286 50.51,12.474 cw(c50.476,12.474) v4(50.5,12.45) 52.65,12.45 ccw(c52.65,12.85) 53.05,12.85 J1.5@53.05,14.286 J1.3@54.32,14.286 ; v3(51.95,2.6) U2.21@51.95,2.8 U2.21@51.95,2.8 v3(51.95,3) ; J1.5@52.949,13.107 53.011,13.169 J1.5@53.041,13.169
  S1 Copper top w0.5: J2.3@34.03,-7.786 J2.5@35.3,-7.786
  S2 Flex copper top w0.1: 32.3,0.3 33.615,0.3 ccw(c33.615,0.613) 33.928,0.613 33.928,1.228 cw(c34.05,1.228) v4@34.05,1.35 ; v4@37.6,0.5 v4@37.6,0.614 ; 38,0.3 50.2,0.3 ; 38,0.5 50.2,0.5 ; 38,0.7 50.2,0.7 ; 38,0.9 50.2,0.9 ; 38,3.7 C41.2@39.7,3.7 ; 38,3.9 50.2,3.9 ; 38,4.1 50.2,4.1 ; 38,4.3 50.2,4.3 ; 38,4.5 50.2,4.5 ; 38,4.7 50.2,4.7 ; C42.1@41.3,3.7 50.2,3.7
  S2 Flex copper top w0.102: v4(55.35,6) v6(58.2,6) v6(59.2,6) v6(60.2,6) v6(61.2,6) ; 55.7,1 56.888,1 cw(c56.888,0.488) 57.25,0.85 ccw(c57.867,1.467) 57.867,0.594 60.8,0.594 ; 60.8,0.595 ccw(c60.8,0.946) v6@61.048,0.698 ; v6@61.048,0.698 61.408,1.058 ccw(c61.142,1.324) C14.1@61.518,1.324 ; Y1.3@61.5,5.3 61.2,5.3 v6(61.2,6) ; v6(62.2,6) v6(61.2,6)
  S2 Flex copper top w0.15: v4(50.5,12.45) cw(c51.406,12.45) 51.406,13.356 55.6,13.356 cw(c55.6,12.706) 56.25,12.706 56.25,11.55 cw(c54.319,11.55) 55.684,10.184 54.377,8.877 ccw(c54.804,8.45) 54.2,8.45 54.2,8.15
  S2 Flex copper top w0.2: 32.3,0.3 10.8,0.3 cw(c10.8,1.1) 10,1.1 10,5.35 cw(c10.8,5.35) 10.8,6.15 32.45,6.15 cw(c32.45,5.75) 32.85,5.75 v11(32.85,5.15) ; 36.68,0.22 36.68,-2.007 ccw(c37.155,-2.007) 37.155,-2.482 37.682,-2.482 cw(c37.682,-2.95) 38.15,-2.95 38.15,-5.35 cw(c37.5,-5.35) v4(37.5,-6) ; v4@37.6,3.766 v4@37.6,3.9 ; 54.2,8.15 54.2,6.45 ccw(c54.65,6.45) 54.65,6 v4(55.35,6)